# Altium PCB radxa_cm5_io_board_v2200.PcbDoc (part 6 of 8) (continued)
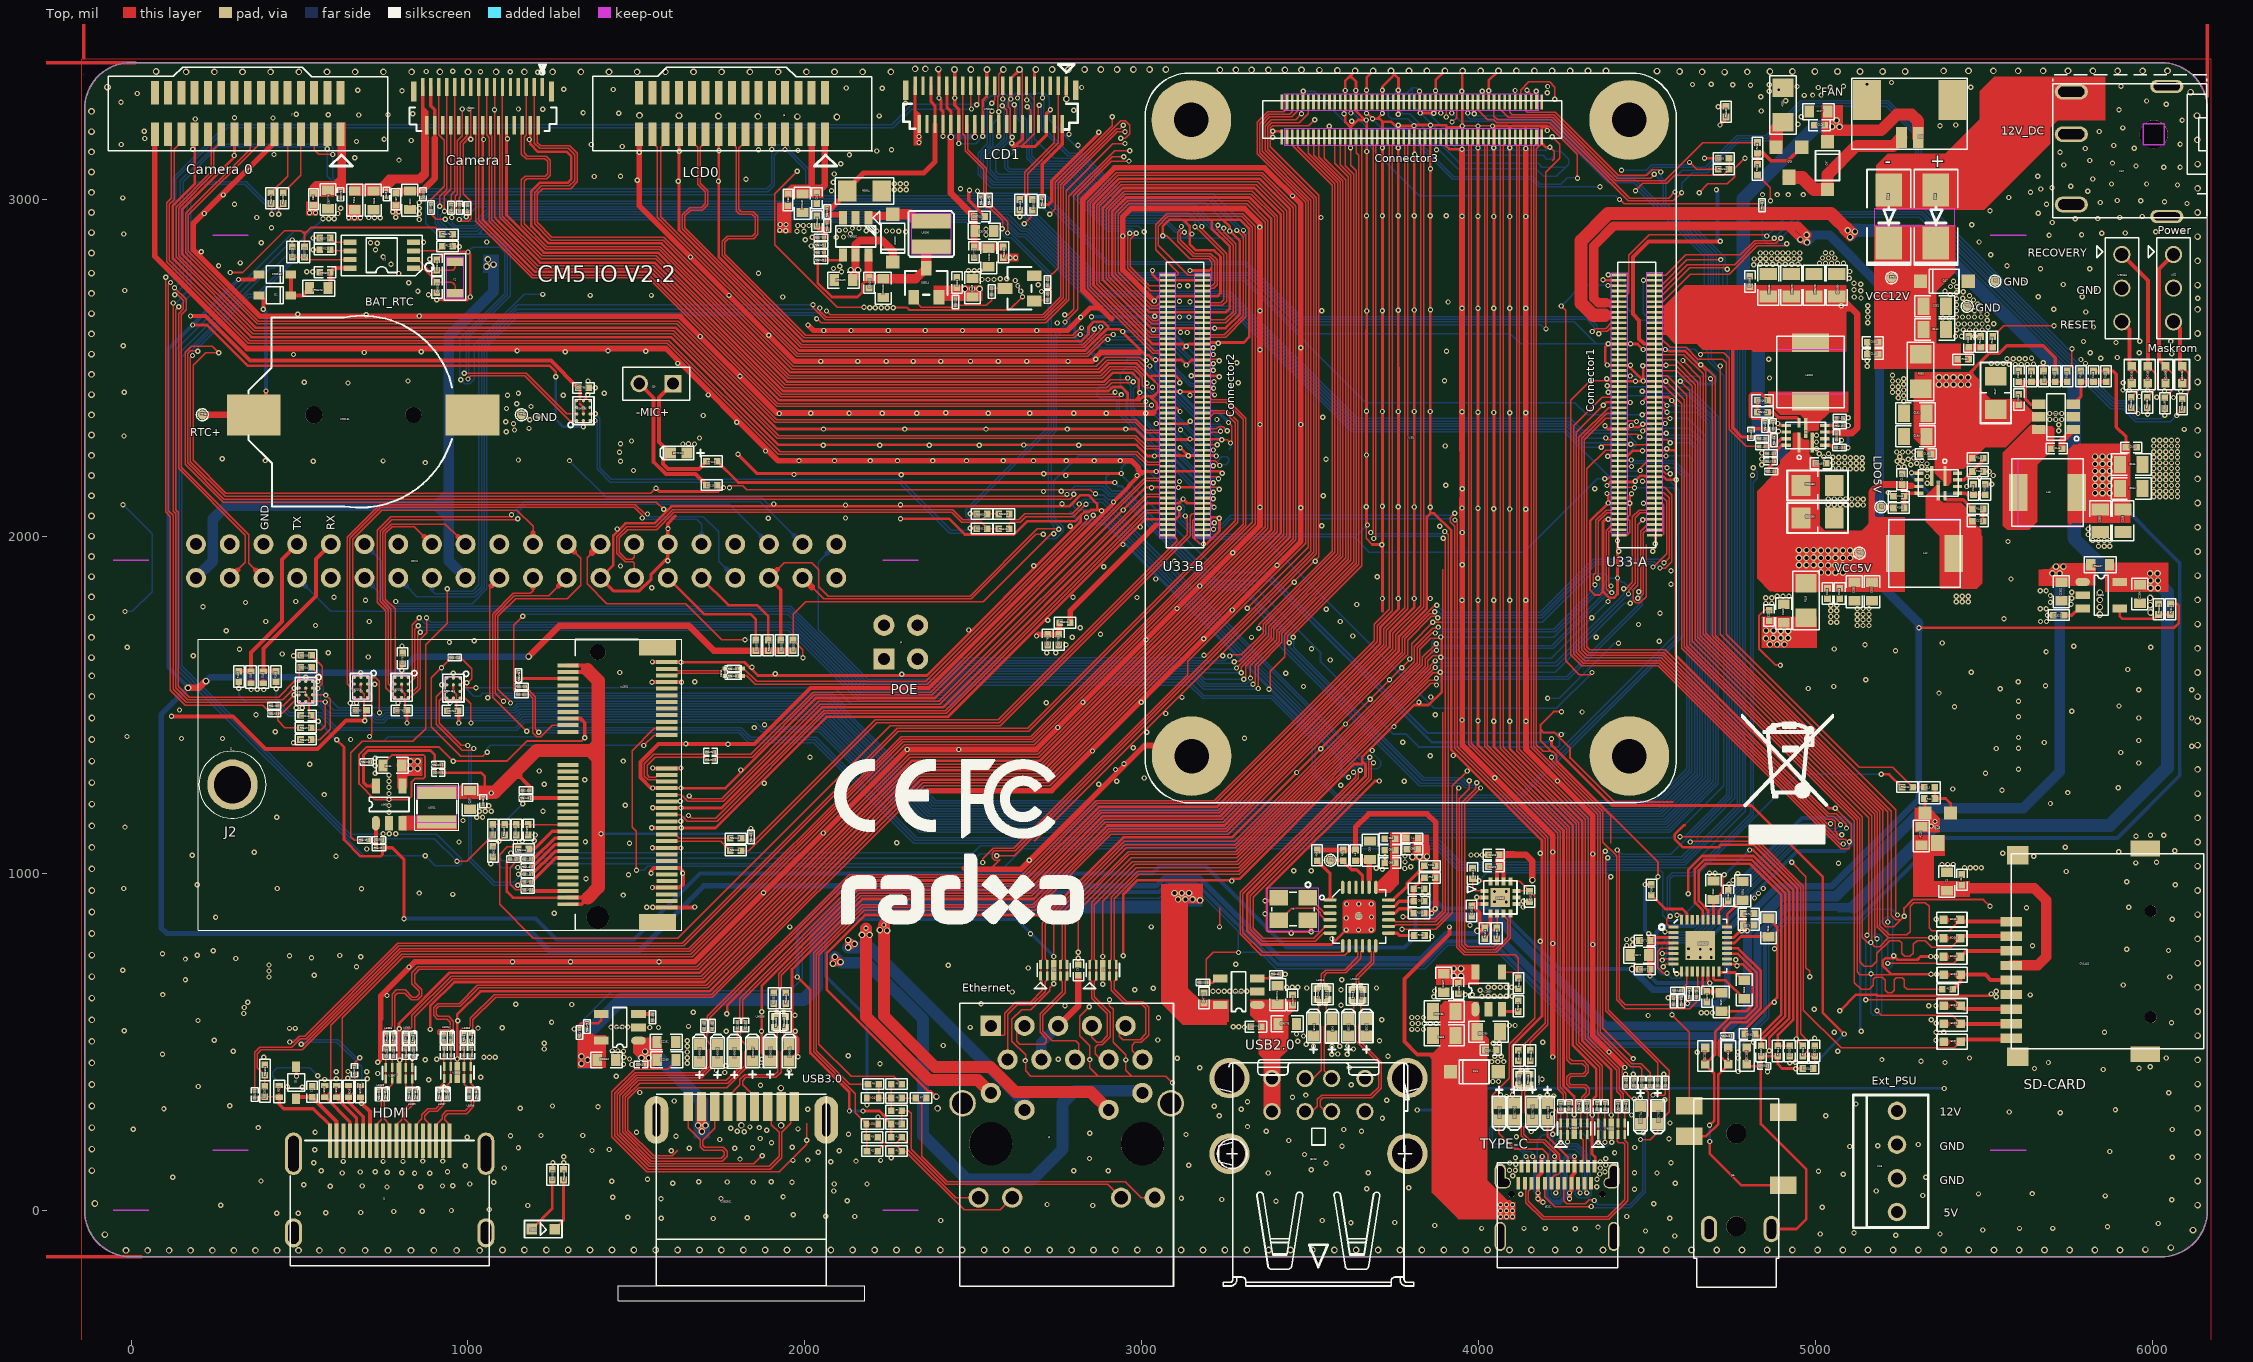
[diagram p0: Top view]
## Nets (pads, with @x,y where several pads share a name; then routed paths per layer and width w, separated by ;. In a path a pad name is that pad's centre, name@x,y a point inside that pad or via, vN(x,y) a via of type N, cw(c..) or ccw(c..) an arc to the next point about the centre after c; other vN are vias at no path point) (continued)
  Top w3.94: R2613.2@4017.35,805.87 4048.85,837.37 R95599.2@4052.78,837.37 4053.77,838.35 U2602.5@4053.77,880.28
N16884567: J24.92 R9241.2 | length 1535.3
  Top w3.94: J24.92@3477.76,3288.58 3478.35,3288.58 v1(3478.35,3320.87) ; v1(4417.32,2999.02) 4419.29,2999.02 4431.1,2987.2 4835.63,2987.2 R9241.2@4840.55,2992.13
  Bottom w3.94: v1(3478.35,3320.87) 3511.81,3320.87 3822.83,3009.84 4406.5,3009.84 v1(4417.32,2999.02)
N16901877: ED9203.1 R95582.2 U32.3 | length 254.8
  Top w3.94: R95582.2@6086.61,2407.48 6105.31,2426.18 6105.31,2485.63 ED9203.1@6086.61,2504.33
  Top w11.81: U32.3@6061.05,2636.2 6080.36,2616.89 6080.36,2510.93 6086.61,2504.68 ED9203.1@6086.61,2504.33
N16901998: R95583.2 R95598.1 U4301.6 | length 171.1
  Top w9.84: R95583.2@1149.61,1554.13 R95598.1@1149.61,1577.76 1296.47,1577.76 U4301.6@1296.47,1577.13
N16914632: ED9204.1 R95584.2 U90134.3 | length 255.8
  Top w3.94: R95584.2@5936.02,2412.4 5960.63,2437.01 5960.63,2480.71 ED9204.1@5937.01,2504.33
  Top w11.81: U90134.3@5907.9,2636.2 5930.76,2613.35 5930.76,2510.93 5937.01,2504.68 ED9204.1@5937.01,2504.33
N16914672: ED9205.1 R95585.2 U90134.1 | length 475.4
  Top w3.94: R95585.2@5983.27,2412.4 6007.87,2437.01 6007.87,2481.69 ED9205.1@5985.24,2504.33
  Top w11.81: U90134.1@5907.9,2836.2 5985.24,2758.87 ED9205.1@5985.24,2504.33
N16916775: R95586.2 U4301.20 | length 255.2
  Top w3.94: R95586.2@1168.27,1530.5 1181.1,1530.5 1191.93,1519.67 1191.93,1416.54 1203.94,1404.53 1215.55,1404.53 1250.35,1439.33 U4301.20@1296.47,1439.33
N16941764: LED4.2 R95602.1 | length 156.4
  Top w7.87: LED4.2@1257.62,-56.16 1283.46,-30.31 R95602.1@1283.46,89.57
N16946224: ED7104.1 J10.1 R7120.2 | length 421.9
  Top w11.81: J10.1@1608.27,2452.76 1566.93,2411.42 1566.93,2280.12 ED7104.1@1600,2247.05 1579.17,2226.22 1579.17,2214.13 1593.5,2199.8 1685.04,2199.8 R7120.2@1707.68,2222.44
N16946250: J10.2 R7125.1 | length 435.5
  Top w11.81: J10.2@1508.27,2452.76 1551.18,2409.84 1551.18,2219.85 1586.98,2184.06 1675.2,2184.06 R7125.1@1707.68,2151.57
N17002627: CON1.27 R95609.2 R95610.2 | length 1342.2
  Top w3.94: CON1.27@1492.94,1876.36 1492.94,1919.66 1488.39,1924.21 1466.73,1924.21 1441.34,1949.61 1441.34,1998.68 1471.01,2028.35 1556.91,2028.35 1607.3,2078.74 2438.58,2078.74 2468.11,2049.21 2524.61,2049.21 R95609.2@2541.34,2065.94 R95610.2@2574.8,2065.94
N17002814: CON1.28 R95611.1 R95612.1 | length 1312.6
  Top w3.94: CON1.28@1492.94,1976.36 1492.94,1937.82 1487.2,1932.09 1469.99,1932.09 1449.21,1952.87 1449.21,1995.42 1473.48,2019.68 1560.04,2019.68 1611.22,2070.87 2435.32,2070.87 2464.85,2041.34 2522.64,2041.34 R95612.1@2541.34,2022.64 R95611.1@2574.8,2022.64
N17057562: Q1.1 R12.2 R13.1 | length 114.7
  Top w7.87: R13.1@5352.85,1255.41 5353.35,1255.41 R12.2@5353.35,1221.46 5384.84,1221.46 5399.63,1206.67 Q1.1@5399.63,1178.86
N17076875: R2311.2 R95606.2 U2305.4 | length 181.8
  Top w7.87: U2305.4@5901.58,1785.43 5901.58,1762.8 5909.45,1754.92 6003.94,1754.92 R95606.2@6016.73,1767.72 R2311.2@6052.17,1767.72
N17076883: R2322.1 U2305.3 | length 63.3
  Top w9.84: R2322.1@5736.22,1765.75 5759.84,1765.75 5779.53,1785.43 U2305.3@5791.34,1785.43
N17101033: D37.1 Q15.3 U26.1 | length 439.7
  Top w35.43: D37.1@5034.45,3028.54 5034.45,3072.83 5120.08,3158.46 5229.33,3158.46 U26.1@5253.94,3183.07
  Top w39.37: Q15.3@4919.93,3065.25 4919.93,3064.32 4959.3,3064.32 4995.08,3028.54 D37.1@5034.45,3028.54
N17101108: Q15.1 R214.1 R215.1 | length 190.6
  Top w11.81: R214.1@4826.77,3103.35 R215.1@4826.77,3136.81 4843.5,3136.81 4866.14,3114.17 4917.8,3114.17 Q15.1@4957.93,3154.31
N17101132: Q15.2 R353.1 | length 82.6
  Top w39.37: Q15.2@4881.93,3154.31 4881.93,3207.72 R353.1@4902.56,3228.35
N17122158: R95616.1 U33.106 | length 429.9
  Top w7.87: 3041.34,2033.46 3042.92,2034.84 U33.106@3075.2,2034.84
  Top w15.75: R95616.1@2787.4,1743.11 2787.4,1779.53 3041.34,2033.46
N169418181: LED4.1 R95603.2 | length 170.8
  Top w7.87: LED4.1@1189.23,-56.05 1250,4.72 R95603.2@1250,89.57
OVCJ: R96.2 U17.1 | length 132.8
  Top w9.84: R96.2@3519.69,1037.4 3558.26,998.83 U17.1@3558.26,920.57
PCIE20_0_REFCLKN: U33.112 U4301.49 | length 1877.6
  Top w3.94: U4301.49@1589.78,1153.9 1589.78,1154.53 v1(1630.91,1154.53) ; v1(1654.53,1171.26) 1663.39,1162.4 1735.24,1162.4 2055.12,1482.28 2415.94,1482.28 3011.42,2077.76 3050.2,2077.76 3054.53,2082.09 U33.112@3075.2,2082.09
  Bottom w3.94: v1(1630.91,1154.53) 1647.64,1171.26 v1(1654.53,1171.26)
PCIE20_0_REFCLKP: U33.110 U4301.47 | length 1873.9
  Top w3.94: U4301.47@1589.78,1173.58 1631.89,1173.58 1650.94,1154.53 1739.17,1154.53 2059.06,1474.41 2419.88,1474.41 3015.35,2069.88 3051.18,2069.88 3054.72,2066.34 U33.110@3075.2,2066.34
PCIE20_0_RXN: U33.118 U4301.43 | length 1871.9
  Top w3.94: U4301.43@1589.78,1212.95 1589.78,1213.58 v1(1629.92,1213.58) ; v1(1656.5,1229.33) 1664.37,1221.46 1752.95,1221.46 2041.34,1509.84 2396.94,1509.84 3012.09,2125 3051.18,2125 3055.51,2129.33 U33.118@3075.2,2129.33
  Bottom w3.94: v1(1629.92,1213.58) 1640.75,1213.58 v1(1656.5,1229.33)
PCIE20_0_RXP: U33.116 U4301.41 | length 1869
  Top w3.94: U4301.41@1589.78,1232.64 1632.87,1232.64 1651.93,1213.58 1756.89,1213.58 2045.28,1501.97 2400.2,1501.97 3015.35,2117.13 3052.17,2117.13 3055.71,2113.58 U33.116@3075.2,2113.58
PCIE20_0_TXN: C90393.1 U33.124 | length 1690.5
  Top w3.94: C90393.1@1729.33,1360.24 1737.2,1352.36 1839.57,1352.36 2024.61,1537.4 2373.03,1537.4 3007.87,2172.24 3050.2,2172.24 3054.53,2176.57 U33.124@3075.2,2176.57
PCIE20_0_TXP: C90392.1 U33.122 | length 1690.2
  Top w3.94: C90392.1@1729.33,1336.61 1737.2,1344.49 1842.83,1344.49 2027.87,1529.53 2376.97,1529.53 3011.81,2164.37 3052.17,2164.37 3055.71,2160.83 U33.122@3075.2,2160.83
PCIE20X1_2_CLKREQN_M0: R95144.1 R95151.1 U33.102 | length 1703
  Top w3.94: R95144.1@1810.04,1103.35 1815.94,1097.44 R95151.1@1839.57,1097.44 1851.38,1097.44 2208.66,1454.72 2572.83,1454.72 3103.35,1985.24 3103.35,1991.81 3091.81,2003.35 U33.102@3075.2,2003.35
PCIE20X1_2_PERSTN_M0: R95145.1 U33.109 | length 2899.8
  Top w3.94: R95145.1@1149.57,1071.84 1142.66,1078.74 1117.13,1078.74 1093.5,1055.12 1093.5,907.48 1193.9,807.09 1622.05,807.09 2252.95,1437.99 2579.72,1437.99 3142.72,2000.98 3142.72,2060.04 3149.02,2066.34 U33.109@3179.13,2066.34
PCIE20X1_2_WAKEN_M0: R95146.1 U33.24 | length 3201.7
  Top w3.94: R95146.1@1810.04,1066.93 1832.68,1066.93 2212.6,1446.85 2576.1,1446.85 3133.86,2004.61 3133.86,2055.12 v1(3128.94,2060.04) ; v1(4373.03,2170.28) 4383.46,2170.28 4389.76,2176.57 U33.24@4415.75,2176.57
  Bottom w3.94: v1(3128.94,2060.04) 3128.94,2046.26 3176.59,1998.6 3629.35,1998.6 3675.2,1952.76 4132.87,1952.76 4350.39,2170.28 v1(4373.03,2170.28)
PHY1_LED0_Y1: R6.1 U33.19 | length 3813.5
  Top w3.94: R6.1@2187.01,374.02 2132.87,374.02 2033.46,473.43 2033.46,759.84 2172.24,898.62 2679.43,898.62 2904.83,1124.02 3252.14,1124.02 3780.2,1652.08 3780.2,1695.1 3854.78,1769.68 3863.19,1769.68 v1(3869.09,1775.59) ; U33.19@4520.47,2145.08 4550.79,2145.08 4572.44,2123.43 4572.44,2113.19 4572.44,1924.8 4553.15,1905.51 v1(4537.4,1905.51)
  Bottom w3.94: v1(3869.09,1775.59) 3880.91,1775.59 3890.75,1765.75 4184.73,1765.75 4343.2,1924.21 4520.47,1924.21 4538.39,1906.3 4538.39,1905.51 v1(4537.4,1905.51)
PHY1_LED1_G: D3.2 R2.2 R3.1 U33.17 | length 3959.1
  Top w3.94: R2.2@2184.06,175.2 R3.1@2184.06,216.54 2182.09,218.5 D3.2@2182.09,255.91 2149.61,288.39 2149.61,346.15 2025.59,470.16 2025.59,763.78 2168.31,906.5 2676.12,906.5 2901.52,1131.89 3248.87,1131.89 3772.32,1655.34 3772.32,1698.36 3869.23,1795.28 v1(3875,1795.28) ; U33.17@4520.47,2129.33 4548.82,2129.33 4564.57,2113.58 4564.57,1936.61 v1(4549.21,1921.26)
  Bottom w3.94: v1(3875,1795.28) 3896.65,1773.62 4181.47,1773.62 4339.93,1932.09 4537.4,1932.09 4548.72,1920.77 v1(4549.21,1921.26)
PHY1_LED2_Y: R5.1 U33.15 | length 3797.9
  Top w3.94: R5.1@2287.4,374.02 2263.78,397.64 2136.81,397.64 2041.34,493.11 2041.34,755.91 2176.18,890.75 2682.7,890.75 2908.1,1116.14 3255.4,1116.14 3784.79,1645.54 3788.07,1648.81 3788.07,1691.84 3858.04,1761.81 3874.02,1761.81 v1(3877.95,1757.87) ; v1(4516.73,1908.46) 4556.69,1948.43 4556.69,2103.35 4546.46,2113.58 U33.15@4520.47,2113.58
  Bottom w3.94: v1(3877.95,1757.87) 4187.99,1757.87 4346.46,1916.34 4508.86,1916.34 v1(4516.73,1908.46)
PHY1_MDI0+: J3.1 U5.1 U5.10 U33.12 | length 2837.5
  Top w3.94: J3.1@2551.39,547.01 2579.7,518.7 2589.57,518.7 2593.52,522.65 2593.52,584.65 2626,617.13 2669.29,617.13 2704.72,652.56 2704.72,679.13 2699.03,684.83 U5.1@2699.03,695.14 U5.10@2699.03,729.58 2699.03,739.17 2704.72,744.87 2704.72,852.15 2947.06,1094.49 3275.26,1094.49 3808.57,1627.8 3808.57,1671.68 3863.27,1726.38 3878.94,1726.38 v1(3878.94,1730.31) ; v1(4344.49,1856.3) 4341.54,1856.3 4338.58,1859.25 4338.58,1883.86 4346.46,1891.73 4346.46,2047.08 4377.14,2077.76 4392.72,2077.76 4397.05,2082.09 U33.12@4415.75,2082.09
  Bottom w3.94: v1(3878.94,1730.31) 3884.84,1724.41 4222.44,1724.41 4344.49,1846.46 v1(4344.49,1856.3)
PHY1_MDI0-: J3.2 U5.2 U5.9 U33.10 | length 2838.2
  Top w3.94: J3.2@2601.39,447.01 2601.39,580.71 2629.93,609.25 2673.23,609.25 2712.6,648.62 2712.6,678.15 2718.72,684.27 U5.2@2718.72,695.14 U5.9@2718.72,729.58 2718.72,740.16 2712.6,746.28 2712.6,848.43 2948.82,1084.65 3276.56,1084.65 3816.45,1624.54 3816.45,1668.4 3860.65,1712.6 v1(3870.08,1712.6) ; v1(4352.36,1875) 4354.33,1875 4354.33,2043.81 4380.4,2069.88 4392.72,2069.88 4396.26,2066.34 U33.10@4415.75,2066.34
  Bottom w3.94: v1(3870.08,1712.6) 3874.02,1716.54 4226.38,1716.54 4358.27,1848.43 4358.27,1866.14 4350.89,1873.52 v1(4352.36,1875)
PHY1_MDI1+: J3.3 U5.4 U5.7 U33.4 | length 2821.2
  Top w3.94: J3.3@2651.39,547.01 2633.86,547.01 2628.94,542.09 2628.94,501.97 2637.8,493.11 2709.65,493.11 2716.54,500 2716.54,508.86 2697.83,527.56 2697.83,582.68 2763.78,648.62 2763.78,678.15 2758.08,683.85 U5.4@2758.08,695.14 U5.7@2758.08,729.58 2758.08,739.17 2763.78,744.87 2763.78,868.89 2958.87,1063.98 3278.16,1063.98 3832.2,1618.01 3832.2,1640.27 v1(3873.03,1681.1) ; v1(4391.73,1852.36) 4389.76,1850.39 4385.83,1854.33 4385.83,2012.8 4392.13,2019.09 U33.4@4415.75,2019.09
  Bottom w3.94: v1(3873.03,1681.1) 3878.94,1675.2 4216.54,1675.2 4391.73,1850.39 v1(4391.73,1852.36)
PHY1_MDI1-: J3.6 U5.5 U5.6 U33.6 | length 2815.8
  Top w3.94: J3.6@2801.39,447.01 2812.99,458.61 2812.99,494.09 2804.13,502.95 2734.25,502.95 2705.71,531.5 2705.71,578.53 2771.65,644.48 2771.65,678.92 2777.77,685.04 U5.5@2777.77,695.14 U5.6@2777.77,729.58 2777.77,739.17 2771.65,745.29 2771.65,864.95 2962.81,1056.1 3281.42,1056.1 3840.07,1614.75 3840.07,1636.29 3865.2,1661.42 v1(3874.02,1661.42) ; v1(4393.7,1832.68) 4389.76,1832.68 4377.95,1844.49 4377.95,2009.84 4377.95,2016.73 4396.06,2034.84 U33.6@4415.75,2034.84
  Bottom w3.94: v1(3874.02,1661.42) 3879.92,1667.32 4220.47,1667.32 4387.8,1834.65 4391.73,1834.65 v1(4393.7,1832.68)
PHY1_MDI2+: J3.7 U6.1 U6.10 U33.11 | length 2803.8
  Top w3.94: J3.7@2851.39,547.01 2851.39,512.78 2865.16,499.02 2878.63,499.02 2897.64,518.03 2897.64,582.37 2850.39,629.61 2850.39,678.36 2844.7,684.06 U6.1@2844.7,695.14 U6.10@2844.7,729.58 2844.7,739.17 2850.39,744.87 2850.39,913.18 2971.67,1034.45 3282.04,1034.45 3855.82,1608.23 3855.82,1615.66 v1(3870.08,1629.92) ; v1(4430.12,1844.49) 4433.56,1841.04 4455.71,1863.19 4455.71,2058.07 4475.39,2077.76 4496.06,2077.76 4500.39,2082.09 U33.11@4520.47,2082.09
  Bottom w3.94: v1(3870.08,1629.92) 3875.98,1624.02 4226.38,1624.02 4430.12,1827.76 v1(4430.12,1844.49)
PHY1_MDI2-: J3.8 U6.2 U6.9 U33.9 | length 2806.4
  Top w3.94: J3.8@2901.39,447.01 2877.8,447.01 2861.22,463.58 2861.22,483.27 2869.09,491.14 2881.89,491.14 2905.51,514.76 2905.51,585.63 2858.27,632.87 2858.27,678.92 2864.39,685.04 U6.2@2864.39,695.14 U6.9@2864.39,729.58 2864.39,739.17 2858.27,745.29 2858.27,906.28 2978.56,1026.57 3285.3,1026.57 3868.96,1610.24 v1(3870.08,1610.24) ; v1(4443.9,1828.74) 4443.9,1840.24 4463.58,1859.93 4463.58,2054.13 4479.33,2069.88 4497.05,2069.88 4500.59,2066.34 U33.9@4520.47,2066.34
  Bottom w3.94: v1(3870.08,1610.24) 3875.98,1616.14 4231.3,1616.14 v1(4443.9,1828.74)
PHY1_MDI3+: J3.9 U6.4 U6.7 U33.3 | length 2804.1
  Top w3.94: J3.9@2951.39,547.01 2938.74,547.01 2933.07,541.34 2933.07,515.75 2942.91,505.91 2994.77,505.91 3011.81,522.95 3011.81,599.1 2999.69,611.22 2950.79,611.22 2909.45,652.56 2909.45,678.35 2903.75,684.06 U6.4@2903.75,695.14 U6.7@2903.75,729.58 2903.75,739.17 2909.45,744.87 2909.45,927.94 2987.41,1005.91 3286.91,1005.91 3853.21,1572.2 3867.55,1572.2 v1(3873.82,1578.47) ; v1(4471.46,1815.94) 4475.39,1815.94 4488.19,1828.74 4488.19,2009.84 4497.44,2019.09 U33.3@4520.47,2019.09
  Bottom w3.94: v1(3873.82,1578.47) 3878.03,1582.68 4260.83,1582.68 4477.36,1799.21 4477.36,1810.04 v1(4471.46,1815.94)
PHY1_MDI3-: J3.10 U6.5 U6.6 U33.5 | length 2809.8
  Top w3.94: J3.10@3001.39,447.01 2996.89,447.01 2970.47,473.43 2970.47,489.17 2979.33,498.03 2998.03,498.03 3019.69,519.68 3019.69,602.36 3002.95,619.09 2954.72,619.09 2918.31,655.51 2918.31,679.91 2923.44,685.04 U6.5@2923.44,695.14 U6.6@2923.44,729.58 2923.44,739.17 2917.32,745.29 2917.32,924 2990.37,997.05 3289.23,997.05 3856.45,1564.27 3868.11,1564.27 v1(3873.98,1558.41) ; v1(4474.41,1835.63) 4475.89,1834.15 4480.31,1838.58 4480.31,2014.02 4501.14,2034.84 U33.5@4520.47,2034.84
  Bottom w3.94: v1(3873.98,1558.41) 3890.37,1574.8 4264.76,1574.8 4485.24,1795.28 4485.24,1824.8 v1(4474.41,1835.63)
PWM4_M0: R214.2 U33.89 | length 756.8
  Top w3.94: U33.89@4520.47,2696.26 4545.67,2696.26 4626.97,2777.56 4742.13,2777.56 4825.79,2861.22 4906.5,2861.22 v1(4913.39,2868.11) ; R214.2@4826.77,3071.85 4865.16,3033.46 v1(4865.16,2995.08)
  Bottom w3.94: v1(4865.16,2995.08) 4840.55,2970.47 4840.55,2885.04 4857.48,2868.11 v1(4913.39,2868.11)
PWM11_M3: J24.18 R215.2 | length 921
  Top w3.94: J24.18@4060.43,3288.58 4060.43,3270.08 4065.94,3264.57 4065.94,3264.09 4086.92,3243.11 4218.5,3243.11 4406.5,3055.12 4551.18,3055.12 4664.37,3168.31 R215.2@4826.77,3168.31
PWM15_M1: R95073.1 R95137.1 U33.21 | length 2876.1
  Top w3.94: R95137.1@2037.4,2864.17 R95073.1@2037.4,2886.81 ; v1(4485.24,2163.39) 4485.24,2162.11 4520.47,2162.11 U33.21@4520.47,2160.83
  Top w9.84: v1(2021.65,2886.81) R95073.1@2037.4,2886.81
  Bottom w3.94: v1(2021.65,2886.81) 2065.94,2931.1 2590.24,2931.1 2632.76,2888.58 2652.76,2888.58 2875,2666.34 3266.17,2666.34 3622.47,2310.04 4252.95,2310.04 4384.84,2178.15 4470.47,2178.15 v1(4485.24,2163.39)
PWRON_L: R95495.1 U33.99 | length 1864.7
  Top w3.94: U33.99@4520.47,2775 4554.13,2775 4613.78,2834.65 4775.59,2834.65 4817.91,2876.97 4869.09,2876.97 v1(4875.98,2883.86) ; v1(6035.43,2359.25) R95495.1@6035.43,2378.94
  Bottom w3.94: v1(4875.98,2883.86) 4946.85,2954.72 5312.01,2954.72 5879.92,2386.81 5913.39,2386.81 5951.77,2348.43 6024.61,2348.43 v1(6035.43,2359.25)
RESET_L: R95584.1 U33.92 | length 1988.4
  Top w3.94: U33.92@4415.75,2712.01 4435.04,2712.01 4444.88,2721.85 4444.88,2833.66 4505.91,2894.68 4850.39,2894.68 v1(4854.33,2890.75) ; R95584.1@5936.02,2380.91 5952.76,2364.17 v1(5955.71,2364.17)
  Bottom w3.94: v1(4854.33,2890.75) 4854.33,2889.76 4927.17,2962.6 5315.94,2962.6 5883.86,2394.68 5925.2,2394.68 v1(5955.71,2364.17)
RSTB_CTP1: R95469.1 R95597.2 U90089.D1 | length 176.2
  Top w3.94: U90089.D1@499.02,1509.84 484.25,1509.84 448.82,1474.41 R95469.1@435.04,1474.41 435.04,1453.74 456.69,1432.09 R95597.2@502.95,1432.09
RTC_32K_IN: R95028.2 R95155.1 | length 2628.2
  Top w3.94: R95028.2@478.35,2859.25 v1(478.35,2878.94) ; v1(967.52,1035.43) 996.04,1035.43 R95155.1@1073.78,1113.18
  Bottom w3.94: v1(478.35,2878.94) 142.72,2543.31 142.72,1611.22 651.57,1102.36 900.59,1102.36 v1(967.52,1035.43)
RTC_32K_SOC: J24.90 R95581.1 R95614.1 | length 4406.3
  Top w3.94: R95614.1@1073.82,1079.72 1073.82,1082.09 v1(1091.54,1094.49) 1091.54,1095.5 R95581.1@1109.21,1113.18 ; v1(2568.9,1052.17) 2620.7,1052.17 3517.13,1948.59 3517.13,3004.19 3373.03,3148.28 3373.03,3214.88 3385.52,3227.36 3466.54,3227.36 3493.5,3254.33 J24.90@3493.5,3288.58
  Bottom w3.94: v1(1091.54,1094.49) 1091.54,1047.24 1101.38,1037.4 1137.8,1037.4 1144.69,1044.29 2505.91,1044.29 2519.69,1058.07 2562.99,1058.07 v1(2568.9,1052.17)
RTC_INT_L: J24.81 R121.1 R95375.2 | length 3260.2
  Top w3.94: R95375.2@954.72,2895.67 R121.1@954.72,2860.24 974.02,2860.24 v1(974.02,2858.66) ; v1(2726.38,2955.71) 2743.11,2972.44 2743.11,3050.2 2911.42,3218.5 v1(2911.42,3245.08) ; v1(3556.1,3216.54) 3556.1,3184.65 J24.81@3556.5,3184.65
  Power w3.94: v1(2911.42,3245.08) 2938.78,3245.08 3042.12,3141.73 3515.75,3141.73 3556.1,3182.09 v1(3556.1,3216.54)
  Bottom w3.94: v1(974.02,2858.66) 943.5,2858.66 874.02,2928.15 874.02,2991.14 883.86,3000.98 931.1,3000.98 937.99,2994.09 2687.99,2994.09 v1(2726.38,2955.71)
SARADC_VIN0_BOOT: R95582.1 U33.93 | length 1928.8
  Top w3.94: U33.93@4520.47,2727.76 4540.35,2727.76 4618.7,2806.1 4758.86,2806.1 4821.85,2869.09 4880.91,2869.09 v1(4895.67,2883.86) ; v1(6070.87,2358.27) 6078.74,2368.11 6078.74,2375.98 R95582.1@6086.61,2375.98
  Bottom w3.94: v1(4895.67,2883.86) 4958.66,2946.85 5307.09,2946.85 5875,2378.94 5910.12,2378.94 5949.49,2339.57 6052.17,2339.57 v1(6070.87,2358.27)
SARADC_VIN1_KEY/RECOVERY: J24.26 R95585.1 | length 2767.1
  Top w3.94: J24.26@3997.44,3288.58 3997.44,3264.17 4010.03,3251.59 4010.22,3251.59 4025.59,3236.22 4044.29,3236.22 4053.15,3227.36 4210.63,3227.36 4442.91,2995.08 4576.77,2995.08 v1(4601.38,3019.68) ; R95585.1@5983.27,2380.91 5984.25,2380.91 v1(5984.25,2362.2)
  Bottom w3.94: v1(4601.38,3019.68) 4601.38,3047.24 4632.87,3078.74 4677.78,3078.74 4772.27,3173.23 4857.9,3173.23 4961.25,3276.57 5208.04,3276.57 5296.26,3188.36 5296.26,2995.08 5888.78,2402.56 5937.01,2402.56 5977.36,2362.2 v1(5984.25,2362.2)
SARADC_VIN2_DC: J24.28 R153.1 | length 2512.8
  Top w3.94: J24.28@3981.69,3288.58 3981.69,3259.84 3987.6,3253.94 v1(3986.22,3253.94) ; R153.1@5524.61,2592.52 5557.09,2625 v1(5706.69,2625)
  Bottom w3.94: v1(3986.22,3253.94) 3993.11,3247.05 4208.29,3247.05 4387.43,3067.91 4490.16,3067.91 4516.73,3094.49 4671.26,3094.49 4765.75,3188.98 4851.38,3188.98 4954.72,3292.32 5214.57,3292.32 5312.01,3194.88 5312.01,3003.94 5690.94,2625 v1(5706.69,2625)
SARADC_VIN3_HP_HOOK: C7322.1 J24.30 R7314.1 R7315.2 | length 3730.8
  Top w3.94: J24.30@3965.94,3288.58 3966.54,3288.58 v1(3966.54,3255.91) ; v1(4626.97,1092.52) 4628.94,1094.49 4818.95,1094.49 4954.72,958.71 4954.72,523.62 4976.38,501.97 4976.38,472.44 R7315.2@4960.63,456.69 C7322.1@4996.06,456.69 4996.06,424.21 R7314.1@4992.13,420.28
  Bottom w3.94: v1(3966.54,3255.91) 3966.54,3245.08 3972.44,3239.17 4205.03,3239.17 4386.44,3057.76 4463.58,3057.76 4687.99,2833.35 4687.99,2675.2 4750.98,2612.2 4750.98,1226.13 4627.95,1103.1 4627.95,1092.52 v1(4626.97,1092.52)
SARADC_VIN4: CON1.37 U33.96 | length 4427
  Top w3.94: 2019.89,1849.41 2055.32,1813.98 2493.42,1813.98 2685.35,2005.91 v1(2706.69,2005.91) ; v1(4244.09,2683.07) 4257.28,2669.88 4257.28,1630.23 4297.95,1589.57 4329.72,1589.57 v1(4335.63,1595.47) ; v1(4382.87,2744.09) 4415.75,2744.09 U33.96@4415.75,2743.5
  Top w19.68: CON1.37@1992.94,1876.36 2019.89,1849.41
  Bottom w3.94: v1(2706.69,2005.91) 2719.49,1993.11 2744.88,1993.11 2766.73,2014.96 2766.73,2027.56 2738.19,2056.1 2738.19,2164.17 2812.21,2238.19 2974.41,2238.19 3125,2087.6 3125,2075.59 3115.16,2065.75 3115.16,2048.73 3173.16,1990.73 3365.57,1990.73 3867.13,1489.17 4229.33,1489.17 v1(4335.63,1595.47) ; v1(4244.09,2683.07) 4305.12,2744.09 v1(4382.87,2744.09)
SD_PWR_ON: R13.2 R95613.2 U33.75 | length 1824.1
  Top w3.94: U33.75@4520.47,2586.02 4541.34,2586.02 4567.32,2560.04 4615.3,2560.04 4649.75,2525.59 4723.23,2525.59 4734.25,2514.57 4734.25,1708.66 5128.94,1313.98 5228.35,1313.98 R95613.2@5286.91,1255.41
  Top w7.87: R95613.2@5286.91,1255.41 R13.2@5321.36,1255.41
SDMMC_CLK: R11.1 U33.57 | length 2425.7
  Top w3.94: U33.57@4520.47,2444.29 4550.2,2444.29 4601.38,2393.11 4601.38,1668.11 5114.17,1155.31 5114.17,675.2 5133.86,655.51 5158.46,655.51 5170.28,667.32 5170.28,685.04 5176.18,690.94 5196.85,690.94 5205.71,682.09 5205.71,652.56 5212.6,645.67 5225.39,645.67 5232.28,652.56 5232.28,684.06 5238.19,689.96 5256.89,689.96 5262.8,684.06 5262.8,663.39 5270.67,655.51 R11.1@5375,655.51
SDMMC_CMD: CN14A1.3 ED13.1 U33.62 | length 2609.4
  Top w3.94: U33.62@4415.75,2475.79 4448.43,2475.79 v1(4448.82,2475.39) ; v1(4687.01,2467.52) 4691.93,2462.6 4691.93,1704.42 5213.58,1182.76 v1(5213.58,855.31) ; v1(5213.58,732.28) 5408.86,732.28 ED13.1@5428.54,751.97
  Top w11.81: ED13.1@5428.54,751.97 5446.26,769.69 CN14A1.3@5579.5,769.69
  Bottom w3.94: v1(4448.82,2475.39) 4679.13,2475.39 v1(4687.01,2467.52) ; v1(5213.58,732.28) v1(5213.58,855.31)
SDMMC_D0: CN14A1.7 ED11.1 U33.63 | length 2618.9
  Top w3.94: U33.63@4520.47,2491.54 4586.61,2491.54 4632.87,2445.28 4632.87,1688.98 5157.48,1164.37 5157.48,821.85 v1(5151.57,815.94) ; v1(5147.64,624.02) 5147.64,625 5410.83,625 ED11.1@5429.53,606.3
  Top w11.81: ED11.1@5429.53,606.3 5439.37,596.46 CN14A1.7@5579.5,596.46
  Bottom w3.94: v1(5147.64,624.02) 5148.62,625 5148.62,812.99 v1(5151.57,815.94)
SDMMC_D1: CN14A1.8 ED10.1 U33.67 | length 2656.5
  Top w3.94: U33.67@4520.47,2523.03 4583.66,2523.03 4649.61,2457.09 4649.61,1699.8 5174.21,1175.2 5174.21,812.01 v1(5181.1,805.12) ; v1(5181.1,591.54) 5193.9,578.74 5403.94,578.74 ED10.1@5429.53,553.15
  Top w11.81: ED10.1@5429.53,553.15 CN14A1.8@5579.5,553.15
  Bottom w3.94: v1(5181.1,591.54) v1(5181.1,805.12)
SDMMC_D2: CN14A1.1 ED15.1 U33.69 | length 2598.4
  Top w3.94: U33.69@4520.47,2538.78 4608.27,2538.78 4665.35,2481.69 4665.35,1708.66 5189.96,1184.06 5189.96,844.49 5217.52,816.93 5269.69,816.93 5279.53,826.77 5279.53,901.57 5290.35,912.4 5324.8,912.4 5335.63,901.57 5335.63,837.6 5343.5,829.72 5396.06,829.72 ED15.1@5428.54,862.2
  Top w11.81: ED15.1@5428.54,862.2 5428.54,856.3 CN14A1.1@5579.5,856.3
SDMMC_D3: CN14A1.2 ED14.1 U33.61 | length 2608.7
  Top w3.94: U33.61@4520.47,2475.79 4559.06,2475.79 4617.13,2417.72 4617.13,1674.63 5129.92,1161.84 5129.92,737.2 5143.7,723.43 5165.35,723.43 5181.1,739.17 5181.1,762.8 5218.5,800.2 5248.03,800.2 5254.92,793.31 5254.92,761.81 5263.78,752.95 5278.54,752.95 5288.39,762.8 5288.39,788.39 5300.2,800.2 5323.82,800.2 5343.5,780.51 5401.97,780.51 ED14.1@5428.54,807.09
  Top w11.81: ED14.1@5428.54,807.09 5434.45,812.99 CN14A1.2@5579.5,812.99
SDMMC_DET_L: J24.74 R90334.1 | length 1254
  Top w3.94: J24.74@3619.49,3288.58 3620.08,3288.58 v1(3620.08,3255.91) ; v1(4625,3109.25) 4645.67,3088.58 R90334.1@4710.63,3088.58
  Power w3.94: v1(4359.25,3037.4) 4363.19,3037.4 4411.42,3085.63 v1(4423.23,3085.63)
  Bottom w3.94: v1(3620.08,3255.91) 3625,3255.91 3676.18,3204.72 3776.04,3204.72 3921.71,3059.06 4155.75,3059.06 4178.39,3036.42 4359.25,3036.42 v1(4359.25,3037.4) ; v1(4423.23,3085.63) 4496.06,3085.63 4512.8,3102.36 4618.11,3102.36 v1(4625,3109.25)
SENSOR_INT_LCD1: R95541.1 U90104.3 | length 381.2
  Top w3.94: R95541.1@2674.21,2999.02 2660.43,3012.8 2660.43,3075.79 2751.97,3167.32 U90104.3@2751.97,3336.61
SPIO_CLK_M1: CON1.23 U33.30 | length 5320.3
  Top w3.94: v1(1105.31,1509.84) 1080.71,1534.45 1080.71,1765.75 1137.8,1822.83 1239.41,1822.83 1268.94,1852.36 ; U33.30@4415.75,2223.82 4449.21,2223.82 v1(4451.77,2226.38)
  Top w15.75: 1268.94,1852.36 CON1.23@1292.94,1876.36
  Bottom w3.94: v1(1105.31,1509.84) 1104.33,1509.84 1113.19,1518.7 2072.83,1518.7 2383.86,1207.68 4525.59,1207.68 4624.02,1306.1 4624.02,2179.55 4579.16,2224.41 4453.74,2224.41 v1(4451.77,2226.38)
SPIO_CS0M1: CON1.24 U33.31 | length 5419.8
  Top w3.94: v1(1125.98,1504.92) 1127.85,1506.79 1088.58,1546.06 1088.58,1762.49 1141.06,1814.96 1294.29,1814.96 1334.25,1854.92 1334.25,1935.05 1315.76,1953.54 ; U33.31@4520.47,2239.57 4520.47,2238.19 v1(4555.12,2238.19)
  Top w15.75: CON1.24@1292.94,1976.36 1315.76,1953.54
  Bottom w3.94: v1(1125.98,1504.92) 1131.89,1510.83 2068.9,1510.83 2379.92,1199.8 4529.53,1199.8 4631.89,1302.17 4631.89,2228.35 4622.05,2238.19 v1(4555.12,2238.19)
SPIO_MISO_M1: CON1.21 U33.100 | length 6104.1
  Top w3.94: v1(1174.21,1421.26) 1072.83,1522.64 1072.83,1769.01 1134.53,1830.71 1185.43,1830.71 1192.94,1838.22 1192.94,1846.06 ; v1(4383.86,2775.59) 4415.75,2774.61 U33.100@4415.75,2775
  Top w15.75: 1192.94,1846.06 CON1.21@1192.94,1876.36
  Bottom w3.94: v1(1174.21,1421.26) 1174.21,1423.23 1183.07,1432.09 1811.02,1432.09 1839.57,1403.54 2033.46,1403.54 2331.69,1105.31 4572.83,1105.31 4726.38,1258.86 4726.38,2467.52 4726.38,2475.48 4681.1,2520.75 4681.1,2546.57 4586.92,2640.75 4476.38,2640.75 4438.98,2678.15 4438.98,2746.06 4409.45,2775.59 v1(4383.86,2775.59)
SPIO_MOSI_M1: CON1.19 U33.28 | length 5185.5
  Top w3.94: v1(1059.06,1520.67) 1064.96,1526.57 1064.96,1848.38 1069.33,1852.76 ; U33.28@4415.75,2208.07 4415.75,2207.61 4451.84,2207.61 v1(4452.76,2206.69)
  Top w15.75: 1069.33,1852.76 CON1.19@1092.94,1876.36
  Bottom w3.94: v1(1059.06,1520.67) 1064.96,1526.57 2076.77,1526.57 2387.8,1215.55 4521.65,1215.55 4616.14,1310.04 4616.14,2176.29 4575.9,2216.54 4462.6,2216.54 v1(4452.76,2206.69)
SSRX_1N: D90034.1 R91181.2 USB2502.5 | length 1282.1
  Top w3.94: R91181.2@1700.79,537.4 1700.79,505.31 D90034.1@1687.01,491.54 1687.01,494.29 1689.76,494.29 1709.56,474.49 1709.56,430.76 1687.26,408.46 1496.06,408.46 1435.04,347.44 1435.04,221.46 1534.45,122.05 1897.64,122.05 1931.1,155.51 1931.1,231.3 1957.68,257.87 1957.68,296.29 USB2502.5@1968.57,307.18
SSRX_1P: D90033.1 R91182.2 USB2502.6 | length 1276.1
  Top w3.94: R91182.2@1724.48,537.49 1708.66,521.68 1708.66,503.94 1721.06,491.54 D90033.1@1740.16,491.54 1733.27,491.54 1717.52,475.79 1717.52,427.58 1690.53,400.59 1499.32,400.59 1442.91,344.18 1442.91,224.72 1537.71,129.92 1893.7,129.92 1923.23,159.45 1923.23,231.3 1900.59,253.94 1900.59,296.42 USB2502.6@1889.83,307.18